# Altium PCB PDM.PcbDoc (part 1 of 4) (continued)
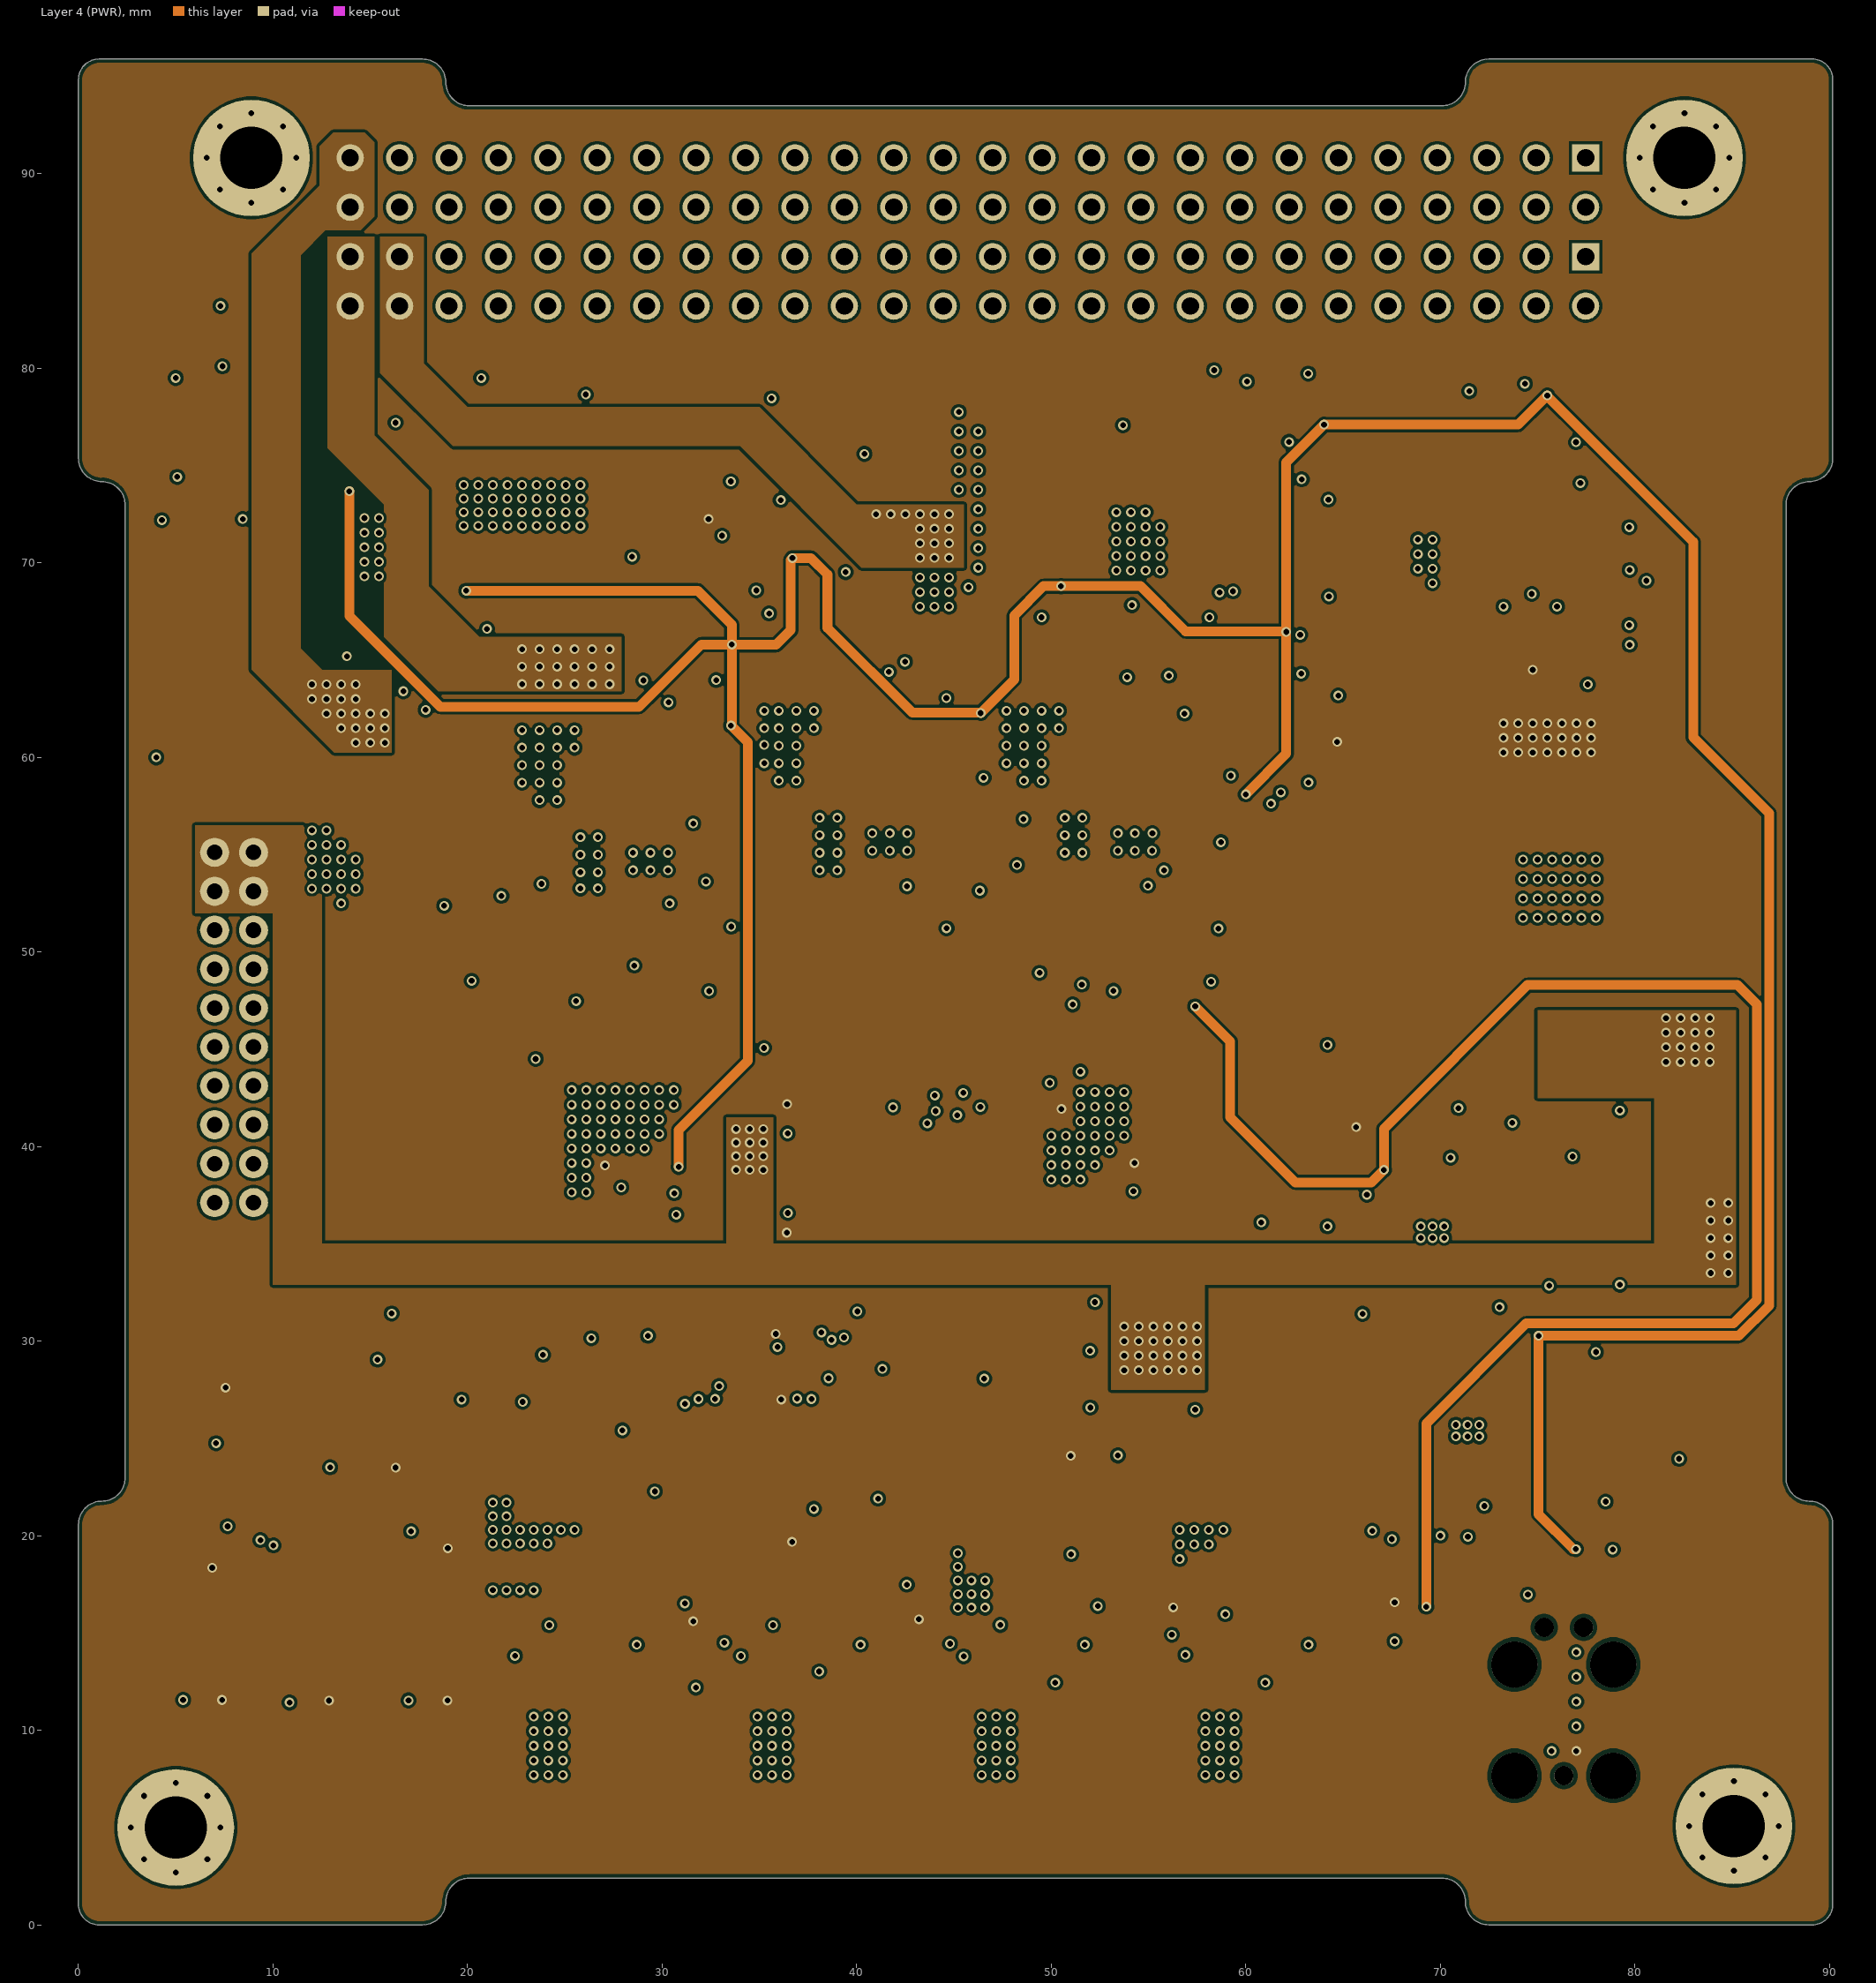
[diagram p4: Layer 4 (PWR)]
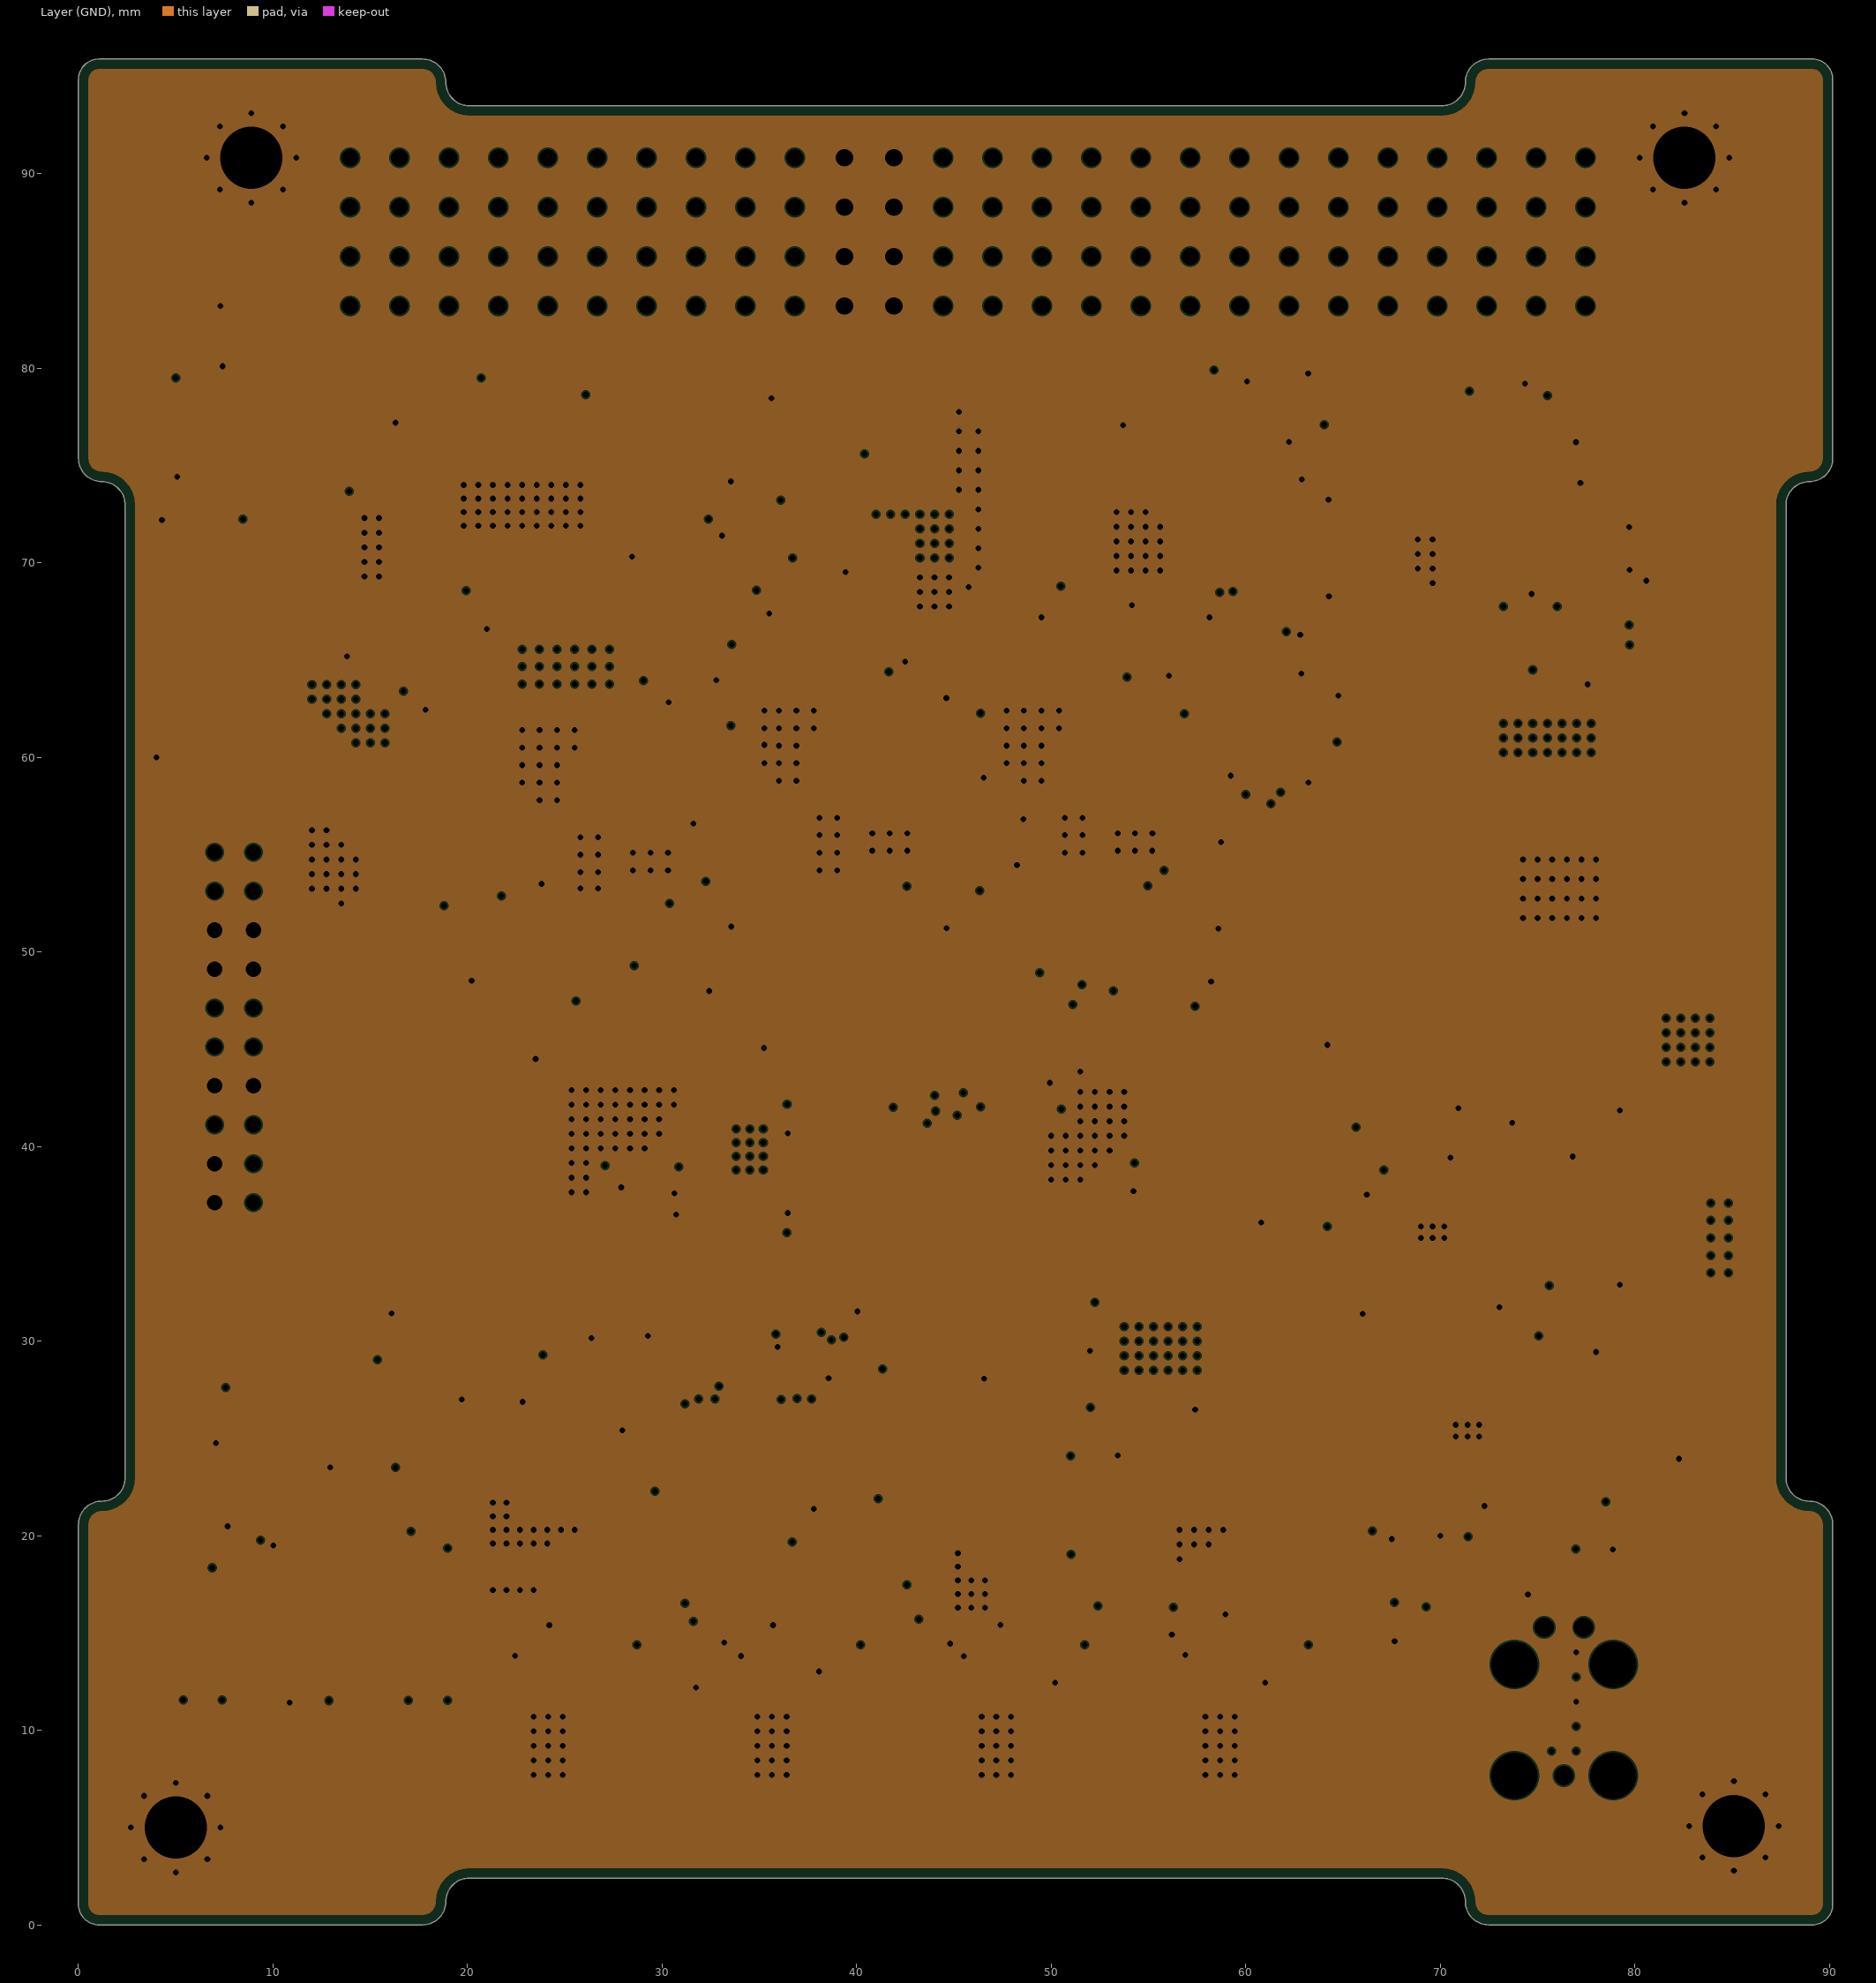
[diagram p5: Layer (GND), clearances drawn from the general rule]

## Layer stack, top to bottom
Top Solder: solder mask 0.0102, Solder Resist, Dk 3.5
Top Layer (SIG): signal copper 0.0356
Dielectric 2: prepreg 0.0711, PP-006, Dk 4.1
Layer 1 (GND): plane copper 0.035, net GND
Dielectric 4: prepreg 0.0711, PP-006, Dk 4.1
Layer 3 (SIG): signal copper 0.035
Dielectric 1: dielectric 0.32, FR-4, Dk 4.8
Layer 4 (PWR): signal copper 0.035
Dielectric 5: prepreg 0.0711, PP-006, Dk 4.1
Layer (GND): plane copper 0.035, net GND
Dielectric 3: prepreg 0.0711, PP-006, Dk 4.1
Bottom Layer (SIG): signal copper 0.0356
Bottom Solder: solder mask 0.0102, Solder Resist, Dk 3.5

## Board outline
1.05,0 cw(c1.05,1.05) 0,1.05 0,20.573 cw(c1.2,20.573) 1.2,21.773 ccw(c1.2,22.973) 2.4,22.973 2.4,72.973 ccw(c1.2,72.973) 1.2,74.173 cw(c1.2,75.373) 0,75.373 0,94.84 cw(c1.05,94.84) 1.05,95.89 17.685,95.89 cw(c17.685,94.69) 18.885,94.69 ccw(c20.085,94.69) 20.085,93.49 70.085,93.49 ccw(c70.085,94.69) 71.285,94.69 cw(c72.485,94.69) 72.485,95.89 89.12,95.89 cw(c89.12,94.84) 90.17,94.84 90.17,75.373 cw(c88.97,75.373) 88.97,74.173 ccw(c88.97,72.973) 87.77,72.973 87.77,22.973 ccw(c88.97,22.973) 88.97,21.773 cw(c88.97,20.573) 90.17,20.573 90.17,1.05 cw(c89.12,1.05) 89.12,0 72.485,0 cw(c72.485,1.2) 71.285,1.2 ccw(c70.085,1.2) 70.085,2.4 20.085,2.4 ccw(c20.085,1.2) 18.885,1.2 cw(c17.685,1.2) 17.685,0

## Design rules (kind name [scope] priority, off if disabled: settings)
BoardOutlineClearance "Outer Layer Ground Clearance" [(OnOutside or OnTopSolderMask or OnBottomSolderMask) and InNet('GND')] p1: gap=0.2 ignorepadtopadclearanceinfootprint=FALSE except(0: Arc-OutlineEdge Track-OutlineEdge SMDPad-OutlineEdge THPad-OutlineEdge Via-OutlineEdge Fill-OutlineEdge Poly-OutlineEdge Region-OutlineEdge Text-OutlineEdge)
BoardOutlineClearance [All] p2: gap=0.2 ignorepadtopadclearanceinfootprint=FALSE
Clearance [All] p1: gap=0.15 ignorepadtopadclearanceinfootprint=FALSE except(0.13: Arc-Arc Arc-Track Arc-SMDPad Arc-THPad Arc-Via Arc-Fill Arc-Poly Arc-Region Track-Track Track-SMDPad Track-THPad Track-Via Track-Fill Track-Poly Track-Region; 0.2: Arc-Hole Track-Hole SMDPad-Hole THPad-Hole Via-Hole Fill-Hole Poly-Hole Region-Hole Text-Hole) // Note: 1Oz copper 6 layer only
ComponentClearance [not OnLayer('Mechanical13') vs not OnLayer('Mechanical13')] p1 off: gap=0.089 collisioncheckmode=3 verticalgap=0.089 showdistances=TRUE
DiffPairsRouting [All] p1: maxlimit=0.089 minlimit=0.089 mostfreqgap=0.089 toplayer_minwidth=0.089 toplayer_maxwidth=1816.048 toplayer_prefwidth=0.089 midlayer2_minwidth=0.089 midlayer2_maxwidth=1816.048 midlayer2_prefwidth=0.089 midlayer3_minwidth=0.089 midlayer3_maxwidth=1816.048 midlayer3_prefwidth=0.089 bottomlayer_minwidth=0.089 bottomlayer_maxwidth=1816.048 bottomlayer_prefwidth=0.089 maxuncoupledlength=12.7
Height [All] p1: minheight=0 maxheight=1816.048 prefheight=12.7
HoleSize [All] p1: absolutevalues=TRUE maxlimit=6.3 minlimit=0.15 maxpercent=80.000 minpercent=20.000
HoleToHoleClearance "Via to Via Clearance" [IsVia vs IsVia] p1: gap=0.2 allowstackedmicrovias=FALSE
HoleToHoleClearance "Pad to Via Hole Clearance" [IsPad vs IsVia] p2: gap=0.35 allowstackedmicrovias=FALSE
HoleToHoleClearance [All] p3: gap=0.45 allowstackedmicrovias=FALSE
MinimumAnnularRing "Via Annular Ring" [IsVia] p1: minimumring=0.05
MinimumAnnularRing [All] p2: minimumring=0.2
MinimumSolderMaskSliver [All] p1: minsoldermaskwidth=0.1
PlaneClearance [All] p1: clearance=0.089
PlaneConnect PlaneConnectPowerPads [InPadClass('PowerPads')] p1: planeconnectstyle=Direct reliefexpansion=0.508 reliefentries=4 reliefconductorwidth=0.254 reliefairgap=0.254
PlaneConnect [All] p2: pad.planeconnectstyle=Relief pad.reliefexpansion=0.3 pad.reliefentries=4 pad.reliefconductorwidth=0.089 pad.reliefairgap=0.089 via.planeconnectstyle=Direct via.reliefexpansion=0.3 via.reliefentries=4 via.reliefconductorwidth=0.127 via.reliefairgap=0.127
PolygonConnect PolygonConnectPowerPads [All vs (InPadClass('PowerPads'))] p1: connectstyle=Direct reliefconductorwidth=0.254 reliefentries=4 polygonreliefangle="90 Angle" airgapwidth=0.254
PolygonConnect [All] p2: connectstyle=Direct reliefconductorwidth=0.089 reliefentries=4 polygonreliefangle="90 Angle" airgapwidth=0.089
RoutingVias [All] p1: holewidth=0.2 width=0.45 viastyle="Through Hole" minholewidth=0.2 minwidth=0.45 maxholewidth=6.3 maxwidth=6.55
SilkToSilkClearance [All] p1: silktosilkclearance=0.15
SilkToSolderMaskClearance [IsPad] p1: minsilkscreentomaskgap=0.15 clearancetoexposedcopper=TRUE
SolderMaskExpansion [All] p1: expansion=0.075 istentingtop=FALSE
SupplyNets "Schematic Supply Nets_22" [InNet('+12V_ADCS')] p1: voltage=0.000
SupplyNets "Schematic Supply Nets_21" [InNet('+6V_CH1')] p2: voltage=0.000
SupplyNets "Schematic Supply Nets_20" [InNet('+5V_CH1')] p3: voltage=0.000
SupplyNets "Schematic Supply Nets_19" [InNet('+12V_CH1')] p4: voltage=0.000
SupplyNets "Schematic Supply Nets_18" [InNet('+3V3_CH1')] p5: voltage=0.000
SupplyNets "Schematic Supply Nets_17" [InNet('+5V_CH2')] p6: voltage=0.000
SupplyNets "Schematic Supply Nets_16" [InNet('+12V_CH2')] p7: voltage=0.000
SupplyNets "Schematic Supply Nets_5" [InNet('+3V3_CH2')] p8: voltage=0.000
SupplyNets "Schematic Supply Nets_4" [InNet('+3V3_OBC')] p9: voltage=0.000
SupplyNets "Schematic Supply Nets_15" [InNet('+5V_ADCS')] p10: voltage=0.000
SupplyNets "Schematic Supply Nets_14" [InNet('+5V5')] p11: voltage=0.000
SupplyNets "Schematic Supply Nets_13" [InNet('+5V_AUX')] p12: voltage=0.000
SupplyNets "Schematic Supply Nets_12" [InNet('+3V3_AUX')] p13: voltage=0.000
SupplyNets "Schematic Supply Nets_11" [InNet('+5V5_RADIO')] p14: voltage=0.000
SupplyNets "Schematic Supply Nets_10" [InNet('+12V_PAYLOAD')] p15: voltage=0.000
SupplyNets "Schematic Supply Nets_9" [InNet('+12V')] p16: voltage=0.000
SupplyNets "Schematic Supply Nets_7" [InNet('VPANEL')] p17: voltage=0.000
SupplyNets "Schematic Supply Nets_6" [InNet('SYS')] p18: voltage=0.000
SupplyNets "Schematic Supply Nets_3" [InNet('+3V3')] p19: voltage=0.000
SupplyNets "Schematic Supply Nets_2" [InNet('GND')] p20: voltage=0.000
SupplyNets "Schematic Supply Nets_1" [InNet('+3V3A')] p21: voltage=0.000
SupplyNets "Schematic Supply Nets" [InNet('+5V')] p22: voltage=0.000
Width [All] p1: maxlimit=10 minlimit=0.1 preferedwidth=0.25 // Note: 1oz Copper Only
20 further rules are at their usual default settings.

## Classes and differential pairs
component class Top_Level: MECH1 MECH2 MECH3 MECH4
component class I2C_Buffer: C90 R74 R75 R76 R77 R78 R79 U29
component class PC104: PC1
net class PANEL_PG[0..3]: PANEL_PG0 PANEL_PG1 PANEL_PG2 PANEL_PG3
net class PANEL_EN[0..3]: PANEL_EN0 PANEL_EN1 PANEL_EN2 PANEL_EN3
net class PANEL[0..3]: PANEL0 PANEL1 PANEL2 PANEL3
channel class Ideal_Diode: Ideal_DiodeA Ideal_DiodeB Ideal_DiodeC Ideal_DiodeD
channel class Heater_Driver: Heater_1 Heater_2
component class Ideal_DiodeD: C1D C2D C3D C101D D8D R1D R2D R3D R4D R5D R6D R100D U1D
component class Ideal_DiodeC: C1C C2C C3C C101C D8C R1C R2C R3C R4C R5C R6C R100C U1C
component class Ideal_DiodeB: C1B C2B C3B C101B D8B R1B R2B R3B R4B R5B R6B R100B U1B
component class Ideal_DiodeA: C1A C2A C3A C101A D8A R1A R2A R3A R4A R5A R6A R100A U1A
component class Heater_2: C88B C89B Q3B R70B R71B R72B R73B U27B U28B
component class Heater_1: C88A C89A Q3A R70A R71A R72A R73A U27A U28A
component class PDM: D8 D9 J3 J4 J5 J6 J7 J8
component class 5V5_Supply: C10 C42 C43 C44 C45 C46 C47 C48 C49 C50 C51 C52 C53 C104 C111 C112 D5 L3 Q1 Q2 R28 R29 R30 R31 R32 R33 R34 R35 R36 R37 R38 R39 R40 R41 R84 R85 R95 U11 U12 U13 U14
component class Controller: C4 C5 C6 C9 C11 C12 C13 C14 C15 C16 C17 C18 C19 C20 C21 C22 C23 C24 D1 D2 D3 D4 FB1 J1 J2 L1 R8 R9 R10 R11 R12 R13 R14 R80 R81 S1 S2 U3 U4 Y1 Y2
component class 12V_Supply: C54 C55 C56 C57 C58 C59 C60 C61 C62 C63 C64 C65 C66 C67 C68 C69 C70 C91 C92 C105 C106 C109 C110 C116 C117 C118 D6 L4 R42 R43 R44 R45 R46 R47 R48 R49 R50 R51 R52 R53 R54 R55 R86 R88 R89 R96 R97 U15 U16 U17 U18 U19 U20
component class 5V_Supply: C71 C72 C73 C74 C75 C76 C77 C78 C79 C80 C81 C82 C83 C84 C85 C86 C87 C93 C94 C107 C108 C119 C120 C121 C122 C123 D7 L5 R56 R57 R58 R59 R60 R61 R62 R63 R64 R65 R66 R67 R68 R69 R87 R90 R91 R98 R99 U21 U22 U23 U24 U25 U26
component class 3V3_Supply: C7 C8 C25 C26 C27 C28 C29 C30 C31 C32 C33 C34 C35 C36 C37 C38 C39 C40 C41 C102 C103 C113 C114 C115 C124 C125 L2 R7 R15 R16 R17 R18 R19 R20 R21 R22 R23 R24 R25 R26 R27 R82 R83 R92 R93 R94 U5 U6 U7 U8 U9 U10

## Components (designator, comment, footprint, x,y, rotation, side; value= is the part's Value field where it differs from the comment)
C1A "CL21B105KAFNNNE" CAPC0805X060 27.375,10.15 r0 top (schematic designator C1)
C1B "CL21B105KAFNNNE" CAPC0805X060 38.825,10.2 r0 top (schematic designator C1)
C1C "CL21B105KAFNNNE" CAPC0805X060 50.325,10.2 r0 top (schematic designator C1)
C1D "CL21B105KAFNNNE" CAPC0805X060 61.8,10.225 r0 top (schematic designator C1)
C2A "CL21B104KACNNNC" CAPC0805X060 23.2,22.4 r90 top (schematic designator C2)
C2B "CL21B104KACNNNC" CAPC0805X060 34.7,22.4 r90 top (schematic designator C2)
C2C "CL21B104KACNNNC" CAPC0805X060 46.3,22.4 r90 top (schematic designator C2)
C2D "CL21B104KACNNNC" CAPC0805X060 57.7,22.4 r90 top (schematic designator C2)
C3A "CL21B103KBANNNC" CAPC0805X060 24.2,18.4 r0 top (schematic designator C3)
C3B "CL21B103KBANNNC" CAPC0805X060 35.65,18.4 r0 top (schematic designator C3)
C3C "CL21B103KBANNNC" CAPC0805X060 47.607,19.021 r0 top (schematic designator C3)
C3D "CL21B103KBANNNC" CAPC0805X060 58.65,18.4 r0 top (schematic designator C3)
C4 "CL10B105KO8NNNC" CAPC0603X040 30.75,37.35 r0 bottom
C5 "CL05B104KB5NNNC" CAPC0402X020 31.2,35.85 r0 bottom
C6 "CL10B105KO8NNNC" CAPC0603X040 28,38.1 r90 bottom
C7 "CL21B103KBANNNC" CAPC0805X060 73.6,69.893 r180 bottom
C8 "CL21B103KBANNNC" CAPC0805X060 55.2,77.925 r90 bottom
C9 "CL21A225KBFNNNE" CAPC0805X060 47.9,42.925 r270 bottom
C10 "CL21B103KBANNNC" CAPC0805X060 38.275,78.5 r0 bottom
C11 "CL21A225KBFNNNE" CAPC0805X060 55.275,26.025 r180 bottom
C12 "CL05B104KB5NNNC" CAPC0402X020 36.6,29.9 r90 top
C13 "CL05B104KB5NNNC" CAPC0402X020 37.425,28.125 r180 top
C14 "CL05B104KB5NNNC" CAPC0402X020 49.925,42.025 r270 bottom
C15 "CL05B104KB5NNNC" CAPC0402X020 36.525,21.475 r180 bottom
C16 "C0603C104K5RACTU" CAPC0603X040 55.1,38.6 r90 bottom
C17 "CL05B104KB5NNNC" CAPC0402X020 52.3,24.125 r180 bottom
C18 "CL05B104KB5NNNC" CAPC0402X020 37.243,36.093 r270 top
C19 "CL21B475KOFNFNE" CAPC0805X060 36.8,19.9 r180 bottom
C20 "C0603C104K5RACTU" CAPC0603X040 5.55,25.775 r180 bottom
C21 "KGM05ACG1H180FH" CAPC0402X020 27.959,26.5 r90 bottom
C22 "GJM1555C1H140FB01D" CAPC0402X020 29.273,31.375 r90 bottom
C23 "KGM05ACG1H180FH" CAPC0402X020 27.959,24.325 r90 bottom
C24 "GJM1555C1H140FB01D" CAPC0402X020 29.273,29.175 r270 bottom
C25 "CL21B104KACNNNC" CAPC0805X060 64.8,59.918 r0 bottom
C26 "CL32B106KBJNNNE" CAPC1210X090 76.1,48.125 r270 top
C27 "CL32B106KBJNNNE" CAPC1210X090 79.2,48.125 r270 top
C28 "CL05B104KB5NNNC" CAPC0402X020 73.85,46.75 r270 top
C29 "CL21B103KBANNNC" CAPC0805X060 66.75,44.5 r0 top
C30 "C0603C104K5RACTU" CAPC0603X040 66.6,46.5 r0 top
C31 "TPSC107K010R0100" "2312 Tantalum" 80.8,56.075 r270 top
C32 "GRM21BZ71A226ME15L" CAPC0805X060 75.7,57.85 r90 top
C33 "GRM21BZ71A226ME15L" CAPC0805X060 77.8,57.85 r90 top
C34 "C0603C104K5RACTU" CAPC0603X040 73.8,58.2 r90 top
C35 "C0603C104K5RACTU" CAPC0603X040 68.25,41.675 r270 top
C36 "C0603C104K5RACTU" CAPC0603X040 70.4,67.5 r0 top
C37 "CL21B473KBCNNNC" CAPC0805X060 75.1,74.1 r180 top
C38 "C0603C104K5RACTU" CAPC0603X040 56,67.75 r0 top
C39 "CL21B473KBCNNNC" CAPC0805X060 60.616,74.312 r180 top
C40 "CL21B103KBANNNC" CAPC0805X060 77.175,71.8 r180 top
C41 "CL21B103KBANNNC" CAPC0805X060 63,72 r180 top
C42 "CL21B104KACNNNC" CAPC0805X060 22.7,76.25 r90 bottom
C43 "CL32B106KBJNNNE" CAPC1210X090 11.7,67.1 r180 top
C44 "CL32B106KBJNNNE" CAPC1210X090 11.7,70.3 r180 top
C45 "CL05B104KB5NNNC" CAPC0402X020 11.55,72.6 r180 top
C46 "CL21B103KBANNNC" CAPC0805X060 8.45,78.95 r270 top
C47 "C0603C104K5RACTU" CAPC0603X040 11.325,80.4 r180 top
C48 "CL32B226KAJNNNE" CAPC1210X090 22.883,76.408 r90 top
C49 "CL32B226KAJNNNE" CAPC1210X090 26.029,76.399 r90 top
C50 "C0603C104K5RACTU" CAPC0603X040 20.428,76.748 r90 top
C51 "C0603C104K5RACTU" CAPC0603X040 5.725,76.85 r180 top
C52 "CL21B105KAFNNNE" CAPC0805X060 42.8,74.1 r180 top
C53 "GRM2165C1H272JA01D" CAPC0805X060 42.8,78.416 r180 top
C54 "CL21B104KACNNNC" CAPC0805X060 29.6,49.4 r90 bottom
C55 "CL32B106KBJNNNE" CAPC1210X090 26.1,35.15 r270 top
C56 "CL32B106KBJNNNE" CAPC1210X090 29.2,35.15 r270 top
C57 "CL05B104KB5NNNC" CAPC0402X020 23.9,33.75 r270 top
C58 "CL21B103KBANNNC" CAPC0805X060 16.25,31.5 r0 top
C59 "C0603C104K5RACTU" CAPC0603X040 16.15,33.5 r0 top
C60 "CL32B226KAJNNNE" CAPC1210X090 31,43.9 r90 top
C61 "CL32B226KAJNNNE" CAPC1210X090 28,45 r90 top
C62 "CL21B105KBFNNNE" CAPC0805X060 25.457,45.121 r90 top
C63 "C0603C104K5RACTU" CAPC0603X040 23.5,45.5 r90 top
C64 "C0603C104K5RACTU" CAPC0603X040 18.025,28.775 r270 top
C65 "C0603C104K5RACTU" CAPC0603X040 14.6,51.5 r0 top
C66 "C0603C104K5RACTU" CAPC0603X040 27,51.2 r0 top
C67 "CL21B473KBCNNNC" CAPC0805X060 20.025,58.1 r180 top
C68 "CL21B473KBCNNNC" CAPC0805X060 32.3,58.1 r180 top
C69 "CL21B103KBANNNC" CAPC0805X060 21.85,55.8 r180 top
C70 "CL21B103KBANNNC" CAPC0805X060 34.2,55.8 r180 top
C71 "CL32B106KBJNNNE" CAPC1210X090 54.6,35.15 r270 top
C72 "CL21B104KACNNNC" CAPC0805X060 55.05,49.4 r90 bottom
C73 "CL32B106KBJNNNE" CAPC1210X090 51.5,35.15 r270 top
C74 "CL05B104KB5NNNC" CAPC0402X020 49.3,33.75 r270 top
C75 "CL21B103KBANNNC" CAPC0805X060 42.05,31.4 r0 top
C76 "C0603C104K5RACTU" CAPC0603X040 41.7,33.5 r0 top
C77 "TPSC107K010R0100" "2312 Tantalum" 58,43 r270 top
C78 "CL32B226KAJNNNE" CAPC1210X090 54.505,44.179 r90 top
C79 "CL21B105KBFNNNE" CAPC0805X060 51.5,45 r90 top
C80 "C0603C104K5RACTU" CAPC0603X040 49.3,45.425 r90 top
C81 "C0603C104K5RACTU" CAPC0603X040 44,28.737 r270 top
C82 "C0603C104K5RACTU" CAPC0603X040 39.6,52 r0 top
C83 "C0603C104K5RACTU" CAPC0603X040 52.2,52.3 r0 top
C84 "CL21B473KBCNNNC" CAPC0805X060 44.55,58.9 r180 top
C85 "CL21B473KBCNNNC" CAPC0805X060 57.15,59.1 r180 top
C86 "CL21B105KAFNNNE" CAPC0805X060 46.5,56.8 r180 top
C87 "CL21B105KAFNNNE" CAPC0805X060 58.975,56.8 r180 top
C88A "C0603C104K5RACTU" CAPC0603X040 67.15,36.625 r0 top (schematic designator C88)
C88B "C0603C104K5RACTU" CAPC0603X040 70.4,17.3 r180 top (schematic designator C88)
C89A "C0603C104K5RACTU" CAPC0603X040 76.875,30.275 r180 top (schematic designator C89)
C89B "C0603C104K5RACTU" CAPC0603X040 77.9,20.2 r180 top (schematic designator C89)
C90 "C0603C104K5RACTU" CAPC0603X040 14.6,23.5 r0 top
C91 "CL21B103KBANNNC" CAPC0805X060 13.6,65.625 r180 bottom
C92 "CL21B103KBANNNC" CAPC0805X060 30.75,70.4 r0 bottom
C93 "CL21B103KBANNNC" CAPC0805X060 49.5,65 r270 bottom
C94 "CL21B103KBANNNC" CAPC0805X060 58.975,64.45 r270 bottom
C101A "GRM21BZ71E106KE15L" CAPC0805X060 25.4,22.4 r90 top (schematic designator C101)
C101B "GRM21BZ71E106KE15L" CAPC0805X060 36.8,22.4 r90 top (schematic designator C101)
C101C "GRM21BZ71E106KE15L" CAPC0805X060 48.4,22.4 r90 top (schematic designator C101)
C101D "GRM21BZ71E106KE15L" CAPC0805X060 59.8,22.4 r90 top (schematic designator C101)
C102 "C0603C104K5RACTU" CAPC0603X040 55,74 r0 top
C103 "C0603C104K5RACTU" CAPC0603X040 69.9,73.5 r0 top
C104 "CL32B226MOJNNNE" CAPC1210X090 41.5,69.75 r90 top
C105 "C0603C104K5RACTU" CAPC0603X040 14.6,57.4 r0 top
C106 "C0603C104K5RACTU" CAPC0603X040 26.8,57.4 r0 top
C107 "C0603C104K5RACTU" CAPC0603X040 39.1,58.4 r0 top
C108 "C0603C104K5RACTU" CAPC0603X040 51.8,58.5 r0 top
C109 "CL21B105KAFNNNE" CAPC0805X060 14.2,59.3 r0 top
C110 "CL21B105KAFNNNE" CAPC0805X060 26.5,59.3 r0 top
C111 "C0603C104K5RACTU" CAPC0603X040 15.1,74.55 r270 bottom
C112 "C0603C104K5RACTU" CAPC0603X040 38.4,70.5 r180 bottom
C113 "C0603C104K5RACTU" CAPC0603X040 61.975,64.468 r90 bottom
C114 "C0603C104K5RACTU" CAPC0603X040 63.2,78 r270 bottom
C115 "C0603C104K5RACTU" CAPC0603X040 73.8,77.768 r0 bottom
C116 "C0603C104K5RACTU" CAPC0603X040 33.3,56.5 r0 bottom
C117 "C0603C104K5RACTU" CAPC0603X040 19.9,66.775 r90 bottom